# Allegro board visualscope011.brd (continued)
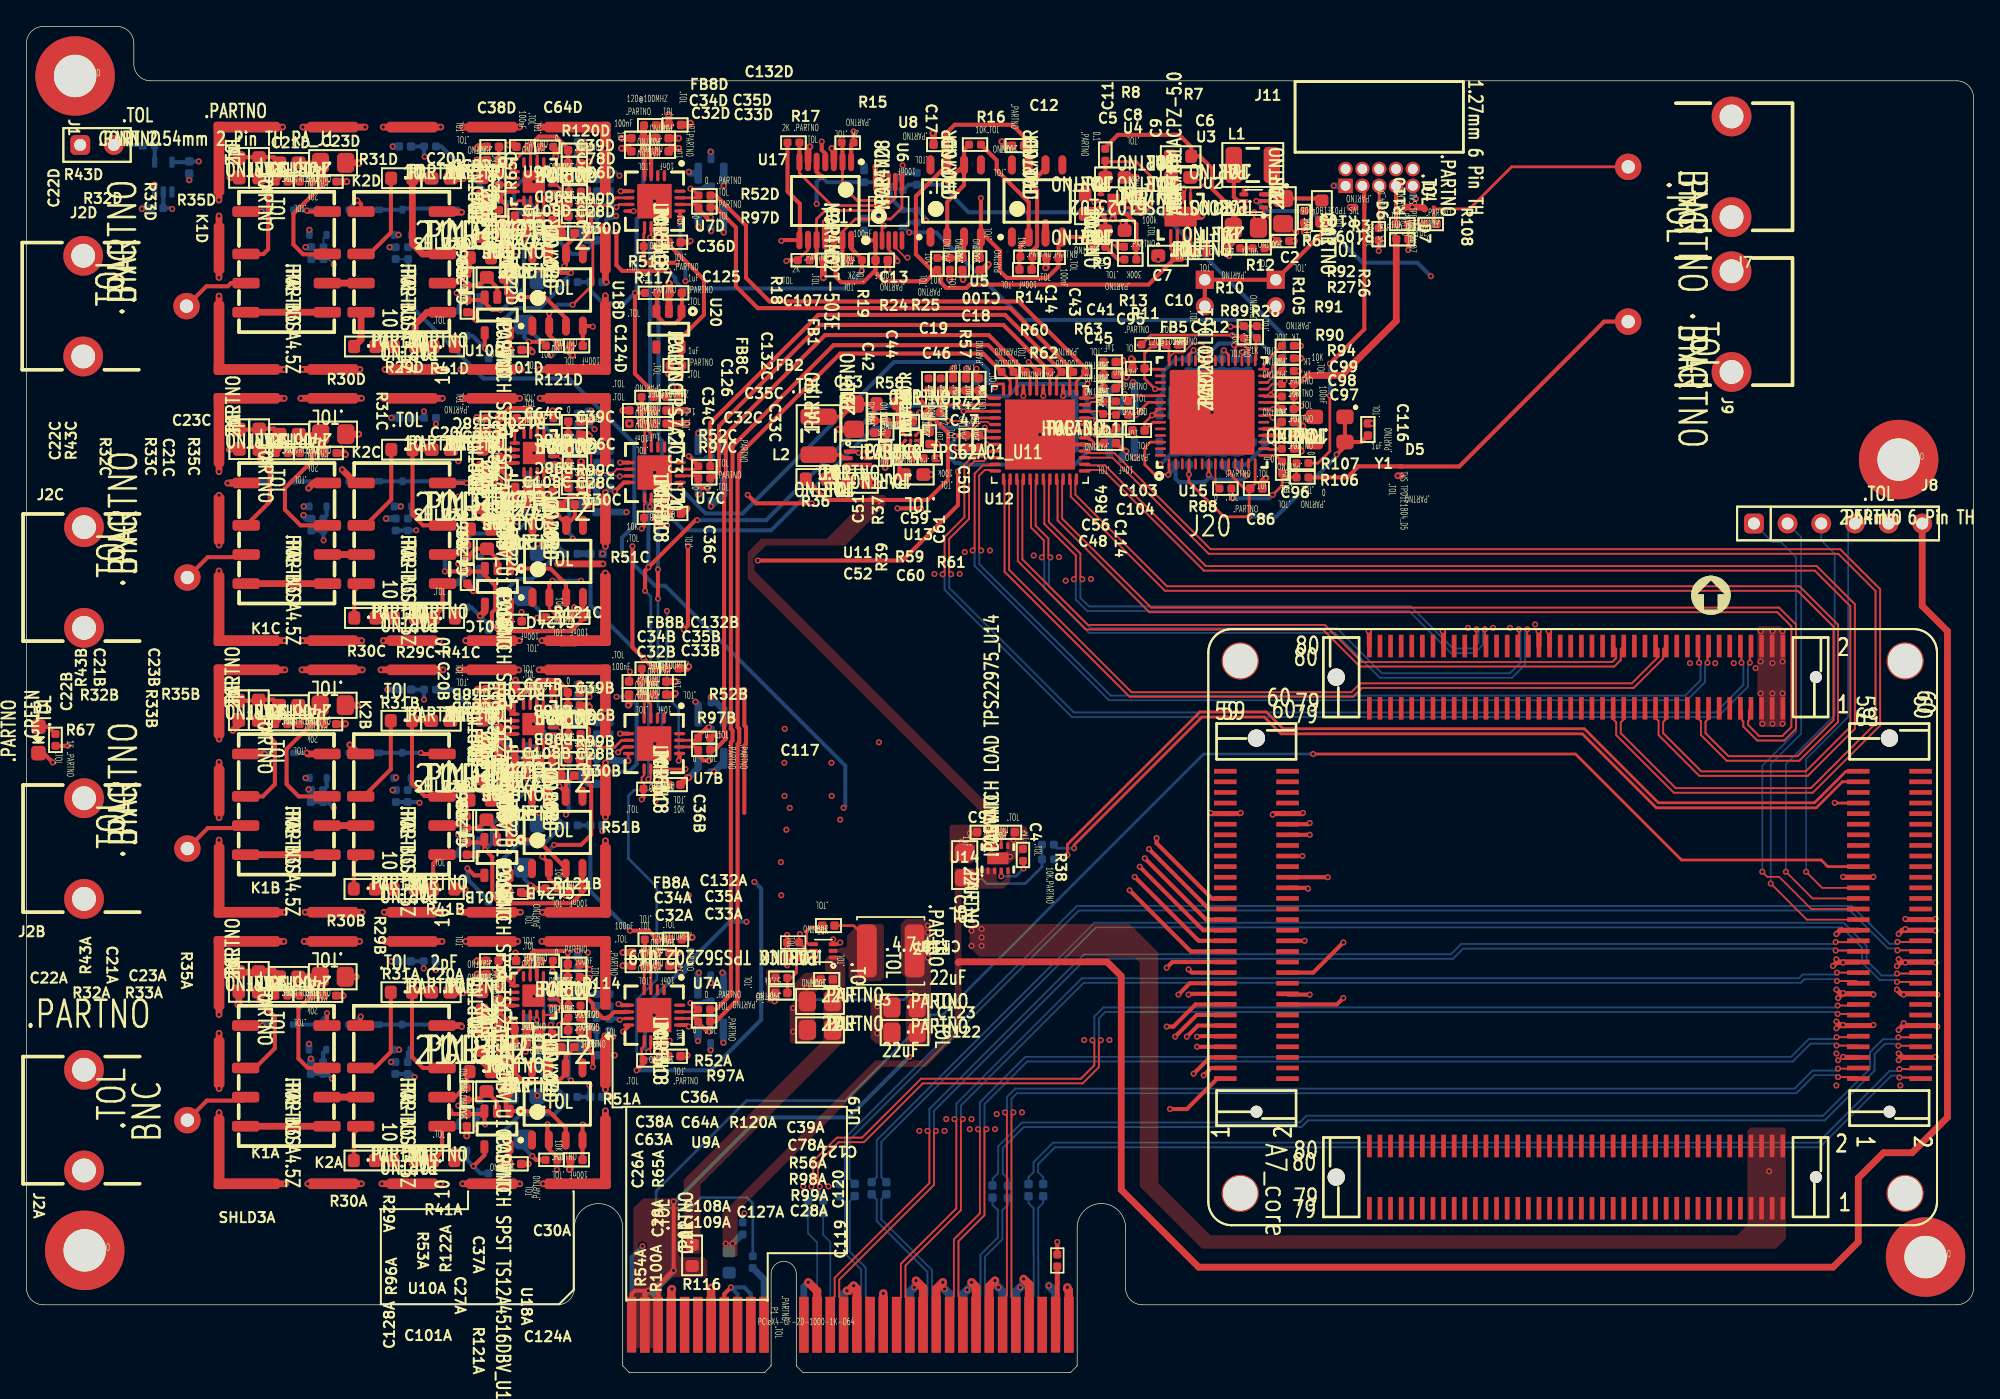
[diagram p0: board, top side]
## Nets (continued)
OUT_R_P_FRONT END_CH4: J4D.1(S) R52D.1 U7D.15
PER_N0: C74.1 P1.A17
PER_N1: C70.1 P1.A22
PER_N2: C66.1 P1.A26
PER_N3: C62.1 P1.A30
PER_P0: C75.1 P1.A16
PER_P1: C71.1 P1.A21
PER_P2: C67.1 P1.A25
PER_P3: C15.1 P1.A29
PERST#: J20.J3_41 R84.1
PET_N0: J20.J3_25 P1.B15
PET_N1: J20.J3_19 P1.B20
PET_N2: J20.J3_7 P1.B24
PET_N3: J20.J3_1 P1.B28
PET_P0: J20.J3_27 P1.B14
PET_P1: J20.J3_21 P1.B19
PET_P2: J20.J3_9 P1.B23
PET_P3: J20.J3_3 P1.B27
PGA_CSN_1: J20.J1_13 R51A.1 U7A.9
PGA_CSN_2: J20.J1_21 R51B.1 U7B.9
PGA_CSN_3: R51C.1 U7C.9
PGA_CSN_4: J20.J1_28 R51D.1 U7D.9
PGOOD: J20.J3_57 R101.1
PROBE_COMP: J20.J1_31 R2.2 U1.2
PRSNT1#: P1.A1 R86.1
PRSNT2#_1: P1.B17
PRSNT2#_4: P1.B31 R86.2
REFINOUT: C96.2 R88.2 R106.2 R107.2
REFINOUT1: D5.1(K) J9.1(S) R106.1
REFINOUT2: D6.1(K) J11.3 R107.1
RESIN: J20.J3_53 R66.1
SCL: J20.J1_38 Q2.3(S) R21.1 R90.1 U15.24
SCL_5V: Q2.1 R23.1 U6.2 U17.4
SDA: J20.J1_40 Q1.3(S) R20.1 R91.1 U15.25
SDA_5V: Q1.1 R22.1 U6.3 U17.5
SMCLK: P1.B5
SMDAT: P1.B6
SPI_SCLK: J20.J1_25 U7A.11 U7B.11 U7C.11 U7D.11 U12.4
SPI_SDIO: J20.J1_7 U7A.10 U7B.10 U7C.10 U7D.10 U12.3
SYNC1: D4.1(K) J7.1(S) R108.1
SYNC2: D7.1(K) J11.7 R109.1
TCK: J8.4 J20.J3_37
TDI: J8.2 J20.J3_31
TDO: J8.3 J20.J3_35
TERM_1: J20.J1_5 R48A.2 R50A.2
TERM_2: J20.J1_17 R48B.2 R50B.2
TERM_3: J20.J1_29 R48C.2 R50C.2
TERM_4: J20.J1_27 R48D.2 R50D.2
TEST: R111.2 U15.21
TMS: J8.1 J20.J3_33
TRIM1: C131A.1 FB7A.1 R15.1 U17.1
TRIM2: C131B.1 FB7B.1 R17.1 U17.8
TRIM3: C131C.1 FB7C.1 R18.1 U17.9
TRIM4: C131D.1 FB7D.1 R19.1 U17.14
VOUT1: R15.2 U6.9 U17.2
VOUT2: R17.2 U6.8 U17.7
VOUT3: R18.2 U6.7 U17.10
VOUT4: R19.2 U6.6 U17.13
WAKE#: P1.B11
N00005: C96.1 U15.15
N00009: C2.2 L1.1 R3.1 U2.3
N00011: R59.1 R61.2 U13.B1
N00013: C60.2 R59.2 U13.A1(VOUT)
N00017: L1.2 U2.5
N00021: C99.1 U15.19
N00027: C4.2 U14.6
N00055: R10.1 R12.2
N00061: R12.1 R105.2 U2.1
N00069: C134.2 U7A.13 U7B.13 U7C.13 U7D.13 U12.48(VCM)
N00071: C117.2 U19.4
N00073: C117.1 L3.1 U19.2
N00081: C118.1 R113.1 R114.2 U19.6
N00103: C9.1 U4.7
N00105: C9.2 U4.8
N00107: C11.2 U4.3
N00109: R11.1 R13.2 U4.5
N00119: P1.A32
N00125: C8.2 R8.2 U4.1 U4.6
N00131: C5.2 R9.1 R11.2 U4.4(VOUT)
N00141: C6.2 R7.2 U3.5 U3.7 U3.8
N00165: P1.B12
N00175: R1.2 U1.4
N00189: R88.1 U15.8
N00205: J20.J1_48 R28.2 R89.1
N00207: J20.J1_50 R42.1 U12.2
N00213: C10.2 U3.4
N00223: C52.2 R36.2 U11.3(VIN) U11.4
N00225: J1.2 R1.1
N00227: L2.1 U11.2
N00231: P1.B30
N00253: J20.J1_18 R108.2 R109.2 R110.2
N00257: C51.1 R37.1 R39.2 U11.5
N00285: C59.2 R58.2 U13.A2 U13.B2
N00319: P1.A11 R84.2
N00321: C40.1 P1.A14
N00323: C79.1 P1.A13
N00365: D1.2 R67.1
N00501: C125.2 R117.2 U20.1 U20.3
N00543: C19.2 R24.1 R25.2 U8.3
N00579: C100.2 R14.1 R16.2 U5.2

Pads without a net: FB1 1 2; FB2 1 2; FB3 1 2; J20 1 2 3 4 5 6 7 8 9 10 11 12 J1_2 J1_4 J1_6 J1_8 J1_10 J1_12 J1_14 J1_20 J1_24 J1_26 J1_30 J1_32 J1_34 J1_36 J1_37 J1_39 J1_41 J1_42 J1_43 J1_45 J1_46 J1_47 J1_49 J1_53 J1_54 J1_55 J1_56 J1_57 J1_58 J1_59 J1_60 J2_9 J2_10 J2_11 J2_12 J2_13 J2_14 J2_15 J2_16 J2_17 J2_18 J2_19 J2_20 J2_21 J2_22 J2_23 J2_24 J2_25 J2_26 J2_27 J2_28 J2_29 J2_30 J2_31 J2_32 J2_33 J2_34 J2_35 J2_36 J2_37 J2_38 J2_39 J2_40 J2_41 J2_42 J2_43 J2_44 J2_45 J2_46 J2_47 J2_48 J2_49 J2_50 J2_51 J2_52 J2_53 J2_54 J2_55 J2_56 J2_57 J2_58 J2_59 J2_60 J2_61 J2_62 J2_63 J2_64 J2_65 J2_66 J2_67 J2_68 J2_69 J2_70 J2_71 J2_72 J2_73 J2_74 J2_75 J2_76 J2_77 J2_78 J2_79 J2_80 J3_14 J3_16 J3_34 J3_36 J3_38 J3_40 J3_42 J3_43 J3_44 J3_45 J3_46 J3_47 J3_48 J3_49 J3_50 J3_51 J3_52 J3_54 J3_55 J3_56 J3_58 J3_60 J4_11 J4_12 J4_13 J4_14 J4_19 J4_20 J4_21 J4_22 J4_27 J4_28 J4_29 J4_30 J4_35 J4_36 J4_37 J4_38 J4_39 J4_40 J4_41 J4_42 J4_43 J4_44 J4_45 J4_47 J4_49 J4_51 J4_53 J4_54 J4_55 J4_56 J4_57 J4_59 J4_61 J4_62 J4_63 J4_64 J4_65 J4_67 J4_68 J4_69 J4_70 J4_71 J4_72 J4_73 J4_74 J4_75 J4_76 J4_77 J4_78 J4_79; R124A 1; R124B 1; R124C 1; R124D 1; U1 1; U5 1 5 8; U6 5; U7A 1 2 16; U7B 1 2 16; U7C 1 2 16; U7D 1 2 16; U8 1 5 8; U9A 9 13 16; U9B 9 13 16; U9C 9 13 16; U9D 9 13 16; U11 6; U15 2 3 5 6 9 12 13 20 34 35 37 38 40 41 44 45 52 53 55 56; U18A 1 5 8; U18B 1 5 8; U18C 1 5 8; U18D 1 5 8; U20 4

## Via types
v1: diameter 0.457, hole 0.254, TOP to BOTTOM, 834 vias

## Routing (per net, layer and track width the routed paths; a pad name or vN(x,y) marks a point on that pad's centre or on a via; arc(x,y) is an arc through that point)
+1V8A: length 25.2
  TOP w0.152: C45.2 80.55,73.55 U12.36
  TOP w0.203: C46.2 72.08,74.13 72.65,73.55 U12.1 ; U12.32 80.19,71.55 80.72,71.02 v1(80.72,70.79) 81.24,71.31 C56.2
  TOP w0.305: C45.2 C43.2 C41.2 ; v1(71.88,73.69) C46.2 C44.2 C42.2 ; v1(80.09,74.62) 79.87,74.41 U12.36
  PWR3 w0.305: v1(80.72,70.79) 80.09,71.42 v1(80.09,74.62)
  BOTTOM w0.305: v1(80.72,70.79) C55.2 C54.2 ; v1(71.88,73.69) 74.07,73.69 75.01,74.62 v1(80.09,74.62)
+1V8APLL: length 54
  TOP w0.127: v1(91.77,77.04) 91.73,77 U15.31
  TOP w0.203: U15.39 87.73,76.81 v1(88.09,77.16) ; U15.33 90.73,76.8 v1(90.37,77.16) ; U15.10 v1(90.73,67.91) 91.92,66.73 C86.1 ; C86.1 92.28,66.64 v1(92.28,64.59) 90.37,64.59 87.73,67.23 v1(87.73,67.79) 87.73,67.79 U15.4 ; C86.1 92.73,67.1 U15.14 ; v1(84.95,72.25) 84.97,72.23 U15.50 ; v1(84.95,72.25) 85.43,72.73 U15.49 ; v1(84.95,72.25) 84.39,71.69 C114.1 85.02,71.73 U15.51
  TOP w0.305: Y1.1 Y1.4 ; Y1.4 100.75,70.23 C116.1 ; Y1.4 99.51,69.92 v1(98.88,69.29)
  PWR3 w0.305: v1(87.73,67.79) 84.95,70.57 v1(84.95,72.25)
  PWR4 w0.305: v1(90.37,77.16) 90.5,77.04 v1(91.77,77.04)
  BOTTOM w0.305: v1(90.37,77.16) 90.22,77.01 C84.1 88.74,76.51 v1(88.09,77.16) 88.09,77.15 87.72,76.78 C83.1 86.72,76.48 85.8,75.57 85.8,73.99 85.52,73.71 C82.1 C115.1 v1(84.95,72.25) ; C89.1 v1(87.73,67.79) ; v1(91.77,77.04) 92.23,76.58 C85.1 ; v1(90.73,67.91) 90.33,68.31 C87.1 ; v1(92.28,64.59) 94.31,64.59 98.88,69.16 v1(98.88,69.29)
+1V8D: length 18.8
  TOP w0.203: U12.30 80.09,70.55 80.24,70.41 80.34,70.41 80.55,70.2 80.55,70.1 v1(80.72,69.93) 80.94,70.14 C48.2 ; C47.2 72.07,70.55 U12.7
  TOP w0.305: C47.2 C50.2 70.11,70.74 v1(70.05,70.69)
  BOTTOM w0.305: v1(70.05,70.69) 70.03,70.66 70.03,70.33 69.72,70.03 69.72,69.57 69.8,69.49 69.8,68.96 70.1,68.66 70.43,68.66 70.56,68.53 79.12,68.53 80.04,69.44 C49.2 80.57,69.77 v1(80.72,69.93)
+1V92: length 7.1
  TOP w0.305: 64.13,73.1 C53.2 61.51,72.15 L2.2 ; 64.13,73.1 63.98,72.95 C51.2 64.9,71.85 R37.2 ; 64.13,73.1 R58.1
+3V3: length 303.3
  TOP w0.127: v1(80.72,71.83) 80.5,72.05 U12.33
  TOP w0.203: v1(96.21,72.97) 95.97,72.73 R94.1 R90.2 R91.2 96.08,74.61 v1(96.47,75.01) ; C61.2 67.39,71.01 U13.C2 ; R89.2 91.79,78.18 91.13,78.18 v1(91.01,78.31) 84.87,78.31 FB5.1 ; 64.34,65.61 64.59,65.86
  TOP w0.305: 68.16,72.33 69.54,70.94 69.54,67.39 68.02,65.86 60.39,65.86 R36.1 ; 68.16,72.33 C61.2 ; 68.16,72.33 68.05,72.43 R42.2 ; v1(24.97,88.47) 25.25,88.19 K2D.1 ; R42.2 68.05,72.81 v1(67.39,73.48) ; R42.2 v1(67.4,72.45) ; R67.2 v1(3.12,47.3) ; K1D.1 v1(17.73,87.63) ; K2A.1 v1(25.23,26.87) ; K1A.1 v1(17.81,26.19)
  TOP w0.508: R110.1 103.38,79.38 99.26,75.26 96.72,75.26 v1(96.47,75.01) ; K1C.1 15.46,67.15 15.44,67.13 v1(15.19,67.13) ; K1B.1 v1(17.98,46.69) ; K2B.1 25.09,46.69 v1(24.4,47.38) ; K2C.1 24.83,67.15 v1(23.82,68.15)
  PWR3 w0.305: v1(67.89,86.94) 67.89,73.99 v1(67.39,73.48) ; v1(17.81,26.19) 17.6,26.39 17.6,46.31 v1(17.98,46.69) 17.6,46.69 16.58,47.71 16.58,66 15.44,67.13 ; 15.44,67.13 v1(15.19,67.13) ; 15.44,67.13 16.58,68.27 16.58,86.48 v1(17.73,87.63)
  PWR4 w0.203: 13.72,90.7 39.5,90.7 39.7,90.5 43.23,90.5 43.61,90.88 49.48,90.88 50.05,91.46 61.03,91.46 61.42,91.85 65.4,91.85 v1(66.13,91.12) ; 24.21,47.32 24.27,47.38 v1(24.4,47.38)
  PWR4 w0.305: v1(17.81,26.19) 24.54,26.19 v1(25.23,26.87) ; v1(24.97,88.47) 18.57,88.47 v1(17.73,87.63) 16.79,87.63 v1(13,91.42) ; v1(15.19,67.13) 16.2,68.15 v1(23.82,68.15) ; v1(67.4,72.45) 67.79,72.85 69.16,72.85 69.42,73.1 71.93,73.1 72.26,72.77 80.04,72.77 80.72,72.08 v1(80.72,71.83) 81.43,72.54 81.43,77.37 82.37,78.31 v1(91.01,78.31) 92.28,78.31 95.58,75.01 v1(96.47,75.01) ; v1(3.12,47.3) 3.19,47.23 17.44,47.23 v1(17.98,46.69) 18.62,46.05 22.94,46.05 24.21,47.32
  BOTTOM w0.127: v1(17.98,46.69) 18.01,46.72 D2B.1 ; v1(17.73,87.63) 17.89,87.63 D2D.1
  BOTTOM w0.305: Q1.2 66.13,90.38 65.23,89.48 65.23,88.65 Q2.2 67.16,87.75 R21.2 67.25,87.71 67.89,87.07 v1(67.89,86.94) ; Q1.2 67.14,90.5 R20.2 ; Q1.2 v1(66.13,91.12) ; D3D.1 24.4,87.9 v1(24.97,88.47) ; D3A.1 24.62,26.26 v1(25.23,26.87) ; U1.5 12.22,91.36 C1.1 v1(13,91.42) ; C58.2 C57.2 80.72,72.14 v1(80.72,71.83) ; v1(67.4,72.45) 67.6,72.25 R44.2 ; R111.1 R93.1 95.92,72.68 v1(96.21,72.97) ; v1(23.82,68.15) 24.4,67.57 D3C.1 ; D3B.1 v1(24.4,47.38) ; D2D.1 17.87,87.77 v1(17.73,87.63) ; D2C.1 15.33,67.27 v1(15.19,67.13)
+3V3_IN: length 156.2
  TOP w0.508: J8.6 143.08,57.86 144.98,55.96 144.98,19.25 142.32,16.59 140.16,16.59 138.25,14.68 138.25,9.85 136.35,7.95 88.47,7.95 82.63,13.79 82.63,29.92 81.55,31 70.37,31 70.31,30.94
  BOTTOM w0.203: v1(71.96,37.41) 72.47,36.91 75.39,36.91 76.65,38.17 R102.2 76.64,38.75 R101.2 ; R87.2 53.03,9.47 v1(53.29,9.73) v1(52.78,9.73)
  BOTTOM w0.508: R66.2 53.98,10.42 v1(53.29,9.73)
+3V3_PCIE: length 10.1
  TOP w0.305: P1.B8 52.67,5.93 v1(53.16,6.43)
  BOTTOM w0.305: P1.A9 53.67,5.92 v1(53.16,6.43) 54.17,6.43 54.67,5.93 P1.A10
+3V3_PGA: length 74.2
  TOP w0.203: C36A.2 48.12,24.19 U7A.12 v1(48.54,25.05) ; C36D.2 48.21,85.57 48.21,85.93 48.15,85.99 U7D.12 ; C36B.2 48.12,44.69 U7B.12 49.73,45.55 v1(49.73,45.54) ; C36C.2 48.16,65.15 U7C.12
  TOP w0.305: U7C.12 v1(48.57,66.01) ; R51D.2 48.14,85 C36D.2 48.46,85.17 51.13,82.5 51.13,79.83 49.44,78.14 U20.5 49.44,76.05 C126.2 49.48,75.39 v1(49.22,75.13) ; C36A.2 48.12,23.56 R51A.2 ; v1(49.92,62.37) 49.92,56.4 v1(49.61,56.08) ; C36C.2 48.16,64.52 R51C.2 47.5,64.28 47.83,63.96 v1(48.34,63.96) ; C36B.2 48.12,44.06 R51B.2 v1(47.47,43.15)
  PWR3 w0.203: v1(49.73,45.54) 49.73,51.18 50.49,51.94 50.49,55.19 v1(49.61,56.08) ; v1(49.92,62.37) v1(48.34,63.96)
  PWR3 w0.305: v1(47.47,43.15) 47.47,42.98 47.57,42.87 47.57,27.76 48.54,26.79 v1(48.54,25.05)
  BOTTOM w0.305: v1(48.57,66.01) 48.57,74.61 49.1,75.13 v1(49.22,75.13)
+5V: length 219.8
  TOP w0.203: 86.86,84.31 86.36,84.81 U3.1 ; 86.86,84.31 C7.2 87.36,84.79 U3.3 ; 86.86,84.31 U3.2
  TOP w0.305: C132C.2 48.26,73.63 FB8C.2 47.32,73.99 45.92,75.39 v1(45.92,81.48) 45.94,81.5 R117.1 ; v1(63.19,85.46) U6.1 64.07,83.97 C13.2 64.08,83.21 ; C132A.2 48.51,32.68 FB8A.2 47.57,32.72 46.94,33.35 v1(45.54,33.35) ; v1(45.73,62.37) 45.73,54.75 v1(46.56,53.92) 47.34,53.14 FB8B.2 48.28,53.14 C132B.2 ; 64.08,83.21 63.17,82.29 61.5,82.29 61.06,82.72 C107.2 60.94,84.09 U17.12 ; 64.08,83.21 64.08,83.01 64.72,82.37 67.89,82.37 R24.2 ; C7.2 84.68,82.12 71.2,82.12 70.94,81.86 69.42,81.86 69.04,82.24 69.04,82.75 68.74,83.05 R24.2 ; R24.2 68.31,83.23 67.13,84.4 67.13,88.79 U8.7 69.49,92.57 C17.1 69.38,93.51 70.05,94.18 74.39,94.18 75.3,93.27 C12.1 75.64,92.27 U5.7
  TOP w0.508: v1(48.46,94.94) 48.49,94.92 C132D.2 48.46,94.14 FB8D.2
  PWR3 w0.305: v1(62.94,91.39) 63.19,91.13 v1(63.19,85.46) ; v1(45.92,81.48) 46.05,81.36 46.05,71.45 45.92,71.32 45.92,62.94 46.3,62.56 46.3,62.18 46.05,61.92 46.05,54.43 v1(46.56,53.92) 46.3,53.67 46.3,44.79 45.54,44.03 v1(45.54,33.35) 46.05,32.84 46.05,24.46 43.26,21.67 v1(42.49,21.67)
  PWR4 w0.305: v1(63.19,85.46) 63.19,84.78 59.89,81.48 v1(45.92,81.48)
  BOTTOM w0.305: v1(48.46,94.94) 48.46,94.54 46.56,92.64 46.56,87.58 46.05,87.07 46.05,81.61 v1(45.92,81.48) 45.16,80.72 43.51,80.72 42.57,81.66 C111D.2 FB9D.1 ; v1(46.56,53.92) 42.57,57.91 C111C.2 ; FB9B.1 C111B.2 42.55,36.34 v1(45.54,33.35) ; v1(63.19,85.46) 63.22,85.48 R23.2 ; FB9A.1 C111A.2 42.49,20.85 v1(42.49,21.67)
  BOTTOM w0.508: FB9C.1 C111C.2 ; v1(62.94,91.39) 63.22,91.11 R22.2
+5V2: length 134.8
  TOP w0.305: R8.1 81.42,92.47 82.37,93.42 86.99,93.42 87.91,92.51 R7.1 88.56,91.81 89.48,90.88 89.48,89.36 91.09,87.75 91.09,87.14 ; 91.09,87.14 C3.2 91.09,85.25 R10.2 90.7,84.33 v1(90.75,84.28) ; 91.09,87.14 U2.6
  PWR3 w0.508: v1(90.75,84.28) 99.52,84.28 101.42,86.18 119.84,86.18 124.54,81.48 124.54,22.17 v1(131.52,15.19)
  BOTTOM w0.203: v1(56.46,28.02) 56.59,28.14 66.24,28.14 v1(66.75,28.65)
  vias: v1(68.02,33.73) v1(68.02,33.22) v1(68.02,32.46) v1(68.02,31.95) v1(68.02,31.32) v1(71.32,33.35) v1(71.32,32.21) v1(72.08,33.48) v1(72.08,32.84) v1(72.08,32.21)
+12V_PCIE: length 46.7
  TOP w0.305: v1(48.84,12.9) v1(48.84,7.7) 47.67,6.52 P1.A3 ; P1.B1 45.67,5.92 45.92,6.17 v1(46.94,6.17) 46.67,5.9 P1.A2
  BOTTOM w0.305: v1(48.84,12.9) 48.97,12.9 55.32,19.25 62.05,19.25 v1(66.62,23.82)
  BOTTOM w0.508: 47.67,5.6 47.67,6.52 v1(48.84,7.7) ; 47.67,5.6 47.09,6.17 v1(46.94,6.17) 46.67,5.9 P1.A2 ; 47.67,5.6 P1.A3
-5V: length 130.9
  TOP w0.305: v1(72.03,88.65) U8.4 ; U8.4 72.03,84.23 C18.2 ; U8.4 72.43,85.7 73.48,84.66 73.48,83.13 73.99,82.63 77.04,82.63 77.89,83.48 C14.2 77.89,85.42 U5.4 79.8,85.7 R9.2
  PWR3 w0.305: v1(29.98,30.5) 30.43,30.95 30.43,50.37 v1(30,50.79) v1(30,72.55) 30.05,72.59 v1(30.05,91.77)
  PWR4 w0.203: v1(72.03,88.65) 67.59,93.09 61.65,93.09 61.11,93.62 44.72,93.62 44.64,93.55 33.58,93.55 31.8,91.77 v1(30.05,91.77)
  BOTTOM w0.305: C133C.1 FB10C.1 v1(30,72.55) ; C133D.1 FB10D.1 30,91.81 v1(30.05,91.77) ; C133A.1 FB10A.1 v1(29.98,30.5) ; v1(30,50.79) FB10B.1 C133B.1
GND: length 614.1
  TOP w0.127: C29D.1 35.65,87.34 35,86.69 v1(35,86.44) ; C108D.1 36.91,87.28 v1(36.91,85.8) ; v1(38.3,28.4) 38.3,28.41 U9A.17 ; C2.1 95.04,86.72 95.58,86.18 95.96,86.18 95.96,86.05 v1(95.83,86.05) ; v1(32.08,70.56) 32.08,70.18 32.03,70.13 C20C.2 ; C101C.1 37.38,57.13 37.36,57.15 v1(37.36,57.4) ; C127C.1 39.61,66.51 38.84,65.73 v1(38.68,65.73) ; v1(92.66,87.58) 92.66,87.2 92.99,86.87 C3.1 ; v1(34.87,25.09) 34.87,25.22 35.62,25.97 C29A.1 ; C34B.1 45.48,52.46 45.54,52.53 v1(45.54,52.91) ; v1(66.5,84.15) 66.34,84.15 65.57,84.91 U6.4 ; v1(35,45.54) 35,45.8 35.62,46.42 C29B.1
  TOP w0.203: v1(67.51,70.31) 67.47,70.35 U13.C1 ; v1(61.42,32.46) 61.28,32.33 U19.3 v1(60.89,32.69) ; v1(57.41,33.03) R115.2 v1(57.41,32.01) R114.1 v1(57.41,30.74) ; J11.5 102.1,86.42 R103.1 ; v1(45.41,46.18) 45.41,46.69 U7B.8 ; U12.8 v1(72.47,70.05)
  TOP w0.254: C28C.2 v1(41.82,66.23) ; v1(82.68,74.61) 82.53,74.61 C45.1
  TOP w0.305: v1(87.35,89.36) 87.35,89.46 87.36,89.46 U3.6 ; v1(81.99,70.81) 81.99,71.07 C56.1 ; v1(44.4,66.5) 45.08,67.18 U7C.8 ; C127A.1 39.57,25.66 v1(39.57,26.24) ; C46.1 71.7,75.22 v1(71.7,75.77) ; v1(40.08,24.08) 40.36,24.36 C37A.1 ; U12.29 77.24,70.05 v1(76.49,70.8) 76.74,71.05 U12.31 ; v1(36.91,84.28) 36.38,84.8 R122D.1 ; v1(92.02,89.36) 91.88,89.21 U2.4 ; v1(62.81,69.42) 62.72,69.51 U11.1 ; U7D.5 v1(44.84,89.17) ; U7A.8 45.45,26.14 v1(45.03,25.73) ; v1(36.91,31.7) 36.95,31.65 C64A.1 ; U7B.5 v1(44.79,48.22) ; v1(83.01,69.54) 82.88,69.67 82.7,69.67 C48.1 ; U4.2 80.68,88.43 v1(80.59,88.34) ; U12.45 v1(75.24,73.72) ; U7C.5 v1(44.81,68.68) ; C78A.1 42.2,29.83 42.24,29.79 v1(42.49,29.79) ; v1(39.7,30.3) 39.7,30.68 39.73,30.71 R120A.1 ; U12.42 v1(76.74,73.72) ; U7A.5 44.92,27.72 44.83,27.81 v1(44.68,27.81) ; U12.39 v1(78.24,73.72) ; R122A.1 36.02,23.57 v1(35.51,23.57) ; C39A.2 42.1,30.82 v1(42.49,30.43) ; v1(41.82,66.23) 41.71,66.12 41,66.12 C37C.1 ; C114.2 v1(83.47,70.73) ; U7D.8 v1(45.82,87.67) ; C28A.2 v1(41.79,25.22)
  TOP w0.381: 141.51,30.98 141.47,30.98 v1(141.17,30.68) ; 141.51,30.98 v1(141.3,31.19) ; 141.51,30.98 J20.J3_24 144.05,30.98 v1(144.09,30.94) ; 141.9,33.38 v1(141.81,33.48) ; 141.9,33.38 J20.J3_30 144.06,33.38 v1(144.09,33.35) ; 141.9,33.38 141.59,33.38 v1(141.3,33.1) ; 137.18,28.58 137.04,28.58 ; 137.18,28.58 J20.J3_17 139.33,28.58 v1(139.39,28.52) ; 137.18,28.58 v1(137.11,28.65) ; 137.04,28.58 136.92,28.58 v1(136.6,28.9) ; 137.04,28.58 v1(136.73,28.27) ; 141.74,28.58 141.49,28.58 v1(141.17,28.9) ; 141.74,28.58 J20.J3_18 144.16,28.58 v1(144.22,28.52) ; 141.74,28.58 v1(141.68,28.52) ; 136.91,26.18 136.8,26.18 v1(136.6,25.98) ; 136.91,26.18 v1(136.6,26.49) ; 136.91,26.18 137.16,26.18 ; v1(101.29,55.96) 101.35,55.9 J20.J4_80 ; v1(139.39,37.41) 139.37,37.38 J20.J3_39 137.14,37.38 v1(137.11,37.41) ; v1(50.11,85.42) 50.01,85.32 C36D.1 ; J20.J4_48 114.15,55.92 v1(114.12,55.96) ; 141.59,23.78 J20.J3_6 144.05,23.78 v1(144.09,23.82) ; 141.59,23.78 v1(141.3,24.08) ; 141.59,23.78 141.51,23.78 v1(141.3,23.57) ; v1(141.3,25.86) 141.63,26.18 141.86,26.18 ; 137.16,30.98 136.81,30.98 ; 137.16,30.98 v1(137.11,30.94) ; 137.16,30.98 J20.J3_23 ; 136.81,30.98 v1(136.6,31.19) ; 136.81,30.98 136.65,30.98 v1(136.35,30.68) ; J20.J4_66 106.95,55.89 v1(106.88,55.96) ; 137.16,26.18 J20.J3_11 139.34,26.18 v1(139.39,26.24) ; 137.16,26.18 v1(137.11,26.24) ; v1(96.34,42.24) 96.29,42.18 J20.J1_52 94.13,42.18 v1(94.06,42.11) ; 141.86,26.18 v1(141.68,26.36) ; 141.86,26.18 J20.J3_12 144.15,26.18 v1(144.22,26.11) ; J20.J4_46 114.95,55.89 v1(114.88,55.96) ; v1(136.6,33.1) 136.89,33.38 J20.J3_29 ; J20.J3_5 137.15,23.78 v1(137.11,23.82) ; v1(144.09,34.24) 144.04,34.18 J20.J3_32 141.86,34.18 v1(141.81,34.24) ; v1(89.36,42.24) 89.41,42.18 J20.J1_51 91.59,42.18 v1(91.64,42.24) ; U6.10 v1(64.07,91)
  TOP w0.508: v1(15.57,48.46) 16.03,48.92 C22B.1 ; v1(40.97,15.32) 41.04,15.39 C124A.2 ; v1(49.22,30.56) 49.07,30.71 C33A.1 ; C101A.1 v1(37.87,15.75) ; SHLD3B.8 v1(38.93,34.74) ; R25.1 69.7,82.52 v1(69.67,82.5) ; SHLD3A.9 v1(43.7,19.76) ; v1(15.95,27.76) 16.03,27.84 C22A.1 ; v1(96.21,69.54) 96.03,69.73 C97.2 ; v1(32.85,34.74) SHLD3B.7 v1(37.28,34.74) ; C44.1 70.9,75.35 70.94,75.39 v1(70.94,75.77) ; R6.2 96.43,86.35 96.47,86.31 v1(96.47,86.05) ; v1(25.17,75.71) SHLD3D.5 v1(20.83,75.71) ; C128A.1 33.24,17.87 v1(33.22,17.86) ; C35C.1 49.83,72.62 v1(49.86,72.59) ; v1(38.18,77.04) 38.02,77.19 C101D.1 ; v1(21.03,34.74) SHLD3B.5 v1(25.35,34.74) ; v1(82.75,76.4) 82.63,76.28 C41.1 ; C63B.2 34.06,50.57 v1(33.98,50.49) ; C112.2 87.25,77.6 v1(87.45,77.8) ; C127D.1 39.88,86.82 40.21,86.82 v1(40.46,86.56) 40.39,86.49 C37D.1 ; v1(83.39,76.53) 83.47,76.44 C95.2 ; SHLD3A.1 v1(14.53,27.02) ; C124B.2 41.04,36.34 v1(40.72,36.02) ; R35A.1 v1(23.9,28.45) ; C126.1 48.56,75.49 v1(48.46,75.39) ; C132A.1 49.6,32.84 v1(50.24,32.84) ; v1(39.7,72.59) 39.77,72.52 R120C.1 ; v1(39.83,46.81) 39.68,46.66 C127B.1 ; Y1.2 v1(96.6,72.13) ; SHLD3D.1 v1(14.53,88.5) ; v1(49.99,44.91) 49.89,44.91 C36B.1 ; C7.1 85.42,84.02 v1(85.42,84.02) ; v1(61.29,71.2) 61.29,71.2 C53.1 ; C20D.2 32.56,90.14 32.59,90.12 v1(32.97,90.12) ; v1(37.03,64.21) 36.93,64.32 R122C.1 ; SHLD3D.3 v1(14.53,81.25) ; SHLD3A.8 v1(38.99,14.25) ; C63A.2 34.01,30.07 v1(33.98,30.05) ; v1(44.91,92.4) 45.42,92.4 C32D.1 ; C33D.1 48.69,92.4 v1(49.22,92.4) ; v1(39.95,91.77) 39.95,92.28 39.76,92.48 R120D.1 ; C109A.2 C108A.1 v1(36.84,26.43) ; C132B.1 49.86,53.16 v1(49.99,53.29) ; v1(49.86,23.95) 49.78,23.88 C36A.1 ; R92.1 v1(96.16,77.5) ; R120B.1 39.73,50.97 v1(39.83,50.88) ; SHLD3A.3 v1(14.54,19.62) ; C11.1 79.9,89.55 v1(79.83,89.61) ; v1(14.54,25.6) SHLD3A.2 v1(14.54,21.43) ; v1(45.41,50.37) 45.48,50.43 C32B.1 ; C86.2 93.28,67.25 v1(93.55,67.51) ; C13.1 v1(65,83.26) ; C59.1 66.88,71.96 66.62,72.21 v1(66.62,72.47) ; C116.2 v1(101.55,71.64) ; C43.1 82.83,75.31 v1(83.01,75.13) ; v1(36.52,71.58) 36.98,72.03 C64C.1 ; C37B.1 40.36,45.74 v1(40.36,45.75) ; C124D.2 41.07,76.94 v1(41.22,76.78) ; C39D.2 42.35,92.27 v1(42.49,92.4) ; SHLD3D.12 v1(38.76,94.01) ; v1(25.28,14.25) SHLD3A.5 v1(21.23,14.25) ; v1(20.78,53.04) SHLD3B.15 v1(25.35,53.04) ; R41A.1 v1(32.3,16.8) ; v1(35.64,67.26) C29C.1 ; v1(70.23,69.8) 70.25,69.82 C50.1 C47.1 ; R35C.1 23.96,69.41 v1(24.08,69.29) ; R61.1 v1(68.88,69.01) ; v1(33.73,59) 33.27,59.46 C128C.1 ; v1(20.82,55.24) SHLD3C.5 v1(25.3,55.24) ; C38C.2 34.04,72.03 v1(33.98,72.08) ; v1(81.99,87.07) 82.04,87.12 U4.9 ; v1(33.14,55.24) SHLD3C.7 v1(37.21,55.24) ; v1(41.83,86.66) 41.83,86.9 41.81,86.92 C28D.2 ; C22C.1 15.37,69.72 v1(15.32,69.67) ; U17.6 58.99,92.39 v1(59.13,92.53) ; v1(26.93,73.54) SHLD3C.14 v1(31.39,73.54) ; R39.1 v1(64.81,68.31) ; v1(43.76,82.31) 43.69,82.38 SHLD3D.10 43.69,86.49 v1(43.76,86.56) ; C23A.1 v1(24.89,29.87) ; v1(37.34,75.71) SHLD3D.7 v1(32.79,75.71) ; C28B.2 41.79,45.87 v1(41.86,45.8) ; C128B.1 33.71,39.09 33.73,39.06 v1(33.98,39.06) ; C64B.1 36.95,52.1 36.91,52.15 v1(36.91,52.27) ; v1(31.37,75.71) SHLD3D.6 v1(27.05,75.71) ; C22D.1 v1(15.36,90.21) ; C14.1 76.97,83.45 v1(76.91,83.39) ; v1(33.14,32.54) SHLD3A.13 v1(37.08,32.54) ; R27.1 v1(96.19,76.56) ; SHLD3B.12 v1(38.69,53.04) ; C132C.1 49.2,74.27 v1(49.1,74.37) ; SHLD3C.11 43.69,70.23 v1(43.64,70.18) ; v1(36.4,92.66) 36.84,92.66 C64D.1 ; v1(33.98,92.4) 34.1,92.52 C38D.2 ; C63D.2 v1(33.98,91.52) ; v1(96.34,71.45) 96.21,71.45 95.91,71.75 C99.2 ; v1(41.73,52.02) 41.73,51.76 41.77,51.72 C39B.2 ; v1(31.27,94.01) SHLD3D.14 v1(26.92,94.01) ; v1(43.7,41.92) SHLD3B.10 v1(43.7,46.02) ; v1(88.72,87.32) 88.65,87.25 U3.9 ; C35B.1 48.96,52.16 v1(48.97,52.15) ; U5.3 v1(76.91,86.82) ; R41B.1 v1(33.1,36.5) ; v1(33.98,79.45) 33.86,79.58 33.86,79.83 33.66,80.03 C128D.1 ; v1(70.69,82.5) 70.69,82.88 70.64,82.93 C19.1 ; SHLD3C.8 41.43,55.07 40.33,55.07 40.16,55.24 v1(38.89,55.24) ; SHLD3D.8 v1(38.74,75.71) ; C18.1 72.17,83.22 v1(72.59,83.64) ; R41D.1 v1(32.32,78.17) ; v1(32.9,73.54) SHLD3C.13 v1(37.23,73.54) ; v1(31.14,55.24) SHLD3C.6 v1(26.92,55.24) ; C132D.1 49.97,94.17 v1(50.11,94.31) ; v1(37.21,94.01) SHLD3D.13 v1(32.92,94.01) ; v1(37.23,14.25) SHLD3A.7 v1(32.91,14.25) ; v1(49.86,65.23) 49.47,64.83 C36C.1 ; v1(33.98,31.06) 34,31.08 C38A.2 ; U9A.17 38.26,28.44 v1(38.3,28.4) ; U20.2 48.49,81.43 C125.1 48.55,82.16 v1(48.46,82.24) ; C78B.1 42.41,50.33 v1(42.49,50.24) ; v1(14.53,87.3) SHLD3D.2 v1(14.53,82.65) ; v1(25.09,91.26) 25.04,91.31 C23D.1 ; v1(31.37,32.54) SHLD3A.14 v1(27.05,32.54) ; v1(82.12,85.29) 82.44,84.98 R13.1 ; SHLD3A.4 v1(19.56,14.25) ; v1(37.16,53.04) SHLD3B.13 v1(32.72,53.04) ; SHLD3C.1 v1(14.53,68) ; C35A.1 v1(49.2,31.7) ; v1(33.98,51.51) 34.05,51.57 C38B.2 ; v1(36.91,47.07) 36.84,47 C108B.1 C109B.2 ; C8.1 v1(83.77,90.21) ; U17.11 v1(60.29,86.82) ; D6.2 v1(99.9,87.96) ; v1(26.75,53.04) SHLD3B.14 v1(31.44,53.04) ; v1(24.08,48.97) 24.05,48.95 R35B.1 ; SHLD3B.1 v1(14.53,47.81) ; C60.1 v1(68.29,67.78) ; v1(31.25,14.25) SHLD3A.6 v1(26.82,14.25) ; D4.2 105.39,87.96 v1(104.6,87.96) D7.2 ; C124C.2 41.08,57.21 41.35,57.48 v1(41.35,57.73) ; v1(14.53,66.22) SHLD3C.2 v1(14.53,62.46) ; C63C.2 34.07,71.03 v1(33.98,70.94) ; v1(43.69,62.36) SHLD3C.10 v1(43.69,66.42) ; v1(82.75,86.82) 82.88,86.69 C5.1 ; D5.2 v1(103.5,67.69) ; C34A.1 v1(45.01,31.7) ; v1(68.4,93.55) 68.46,93.49 C17.2 ; v1(20.86,94.01) SHLD3D.15 v1(25.56,94.01) ; v1(42.49,70.69) 42.39,70.79 C78C.1 ; v1(35.58,44.02) 35.76,44.02 35.92,43.86 R122B.1 ; C10.1 v1(89.07,85.26) ; SHLD3C.4 v1(19.46,55.24) ; R41C.1 v1(32.33,57.61) ; C108C.1 C109C.2 36.88,65.71 v1(36.65,65.48) ; C23C.1 v1(25.08,70.83) ; C6.1 v1(88.51,90.21) ; v1(60.78,92.4) 60.94,92.25 U17.3 ; SHLD3B.3 v1(14.54,40.19) ; U7B.17 v1(47.42,47.47) ; R35D.1 v1(24.18,89.89) ; SHLD3A.12 v1(38.89,32.54) ; C78D.1 42.38,91.27 v1(42.49,91.39) ; SHLD3B.4 v1(19.5,34.74) ; SHLD3C.16 v1(19.45,73.54) ; C34D.1 v1(44.91,93.17) ; SHLD3B.9 v1(43.7,40.14) ; v1(73.61,92.91) 73.91,92.61 C12.2 ; v1(38.05,36.14) 37.44,36.14 C101B.1 ; C35D.1 v1(49.22,93.17) ; v1(32.08,50.11) 31.99,50.03 C20B.2 ; v1(32.97,28.65) 32.92,28.7 C20A.2 ; SHLD3C.12 v1(38.76,73.54) ; C109D.2 C108D.1 ; v1(40.08,61.04) v1(43.51,61.04) ; SHLD3D.9 v1(43.69,81.28) ; SHLD3A.16 v1(19.43,32.54) ; SHLD3D.16 v1(19.33,94.01) ; SHLD3B.16 v1(19.5,53.04) ; SHLD3C.9 v1(43.69,60.35) ; C32A.1 v1(45.01,30.71) ; v1(31.58,34.74) SHLD3B.6 v1(27,34.74) ; v1(43.66,25.42) 43.66,23.43 SHLD3A.10 v1(43.7,21.35) ; v1(20.95,32.54) SHLD3A.15 v1(25.14,32.54) ; v1(14.54,46.07) SHLD3B.2 v1(14.54,41.88) ; R26.1 v1(96.04,75.59) ; C23B.1 v1(24.97,50.37) ; C33B.1 48.88,51.17 v1(48.97,51.26) ; v1(20.7,73.54) SHLD3C.15 v1(25.29,73.54) ; SHLD3B.11 43.69,49.79 v1(43.64,49.73) ; SHLD3A.11 v1(43.69,29.41) ; C34C.1 v1(45.01,72.62) ; SHLD3D.11 v1(43.69,92.4) ; SHLD3D.4 v1(19.43,75.71) ; C52.1 v1(63.96,67.16) ; C33C.1 v1(49.86,71.63) ; R105.1 v1(95.69,85.41) ; C107.1 v1(60.14,82.63) ; C61.1 v1(68.75,70.09) ; C42.1 v1(69.93,75.77) ; C39C.2 42.57,71.78 v1(42.75,71.96) ; SHLD3C.3 v1(14.53,60.51)
  TOP w0.635: P1.B22 68.67,6.31 v1(69.16,6.81) ; P1.B7 v1(51.67,6.4) ; v1(48.72,6.3) 48.67,6.25 P1.A4 ; P1.B26 72.67,6.5 v1(73.1,6.93) ; v1(67.13,6.93) 67.67,6.4 P1.B21 ; P1.B32 78.67,6.19 78.56,6.3 v1(78.56,6.43) ; v1(71.32,6.81) 71.67,6.46 P1.B25 ; v1(75.26,7.06) 75.67,6.65 P1.B29 ; P1.B16 62.67,6.32 v1(62.43,6.55) 62.05,6.17 v1(61.92,6.17) ; v1(59,6.81) 59.67,6.14 P1.B13 ; P1.A18 v1(64.67,5.97)
  BOTTOM w0.127: v1(83.01,75.13) 82.68,74.8 v1(82.68,74.61)
  BOTTOM w0.203: 36.47,45.36 C102B.1
  BOTTOM w0.305: 36.47,45.36 35.18,45.36 v1(35,45.54) ; C129D.2 41.86,85.75 42.27,85.34 42.92,85.34 ; v1(41.82,66.23) 41.89,66.16 41.89,66.06 ; v1(71.7,75.77) 71.7,75.39 71.64,75.32 C134.1 ; v1(43.76,86.56) 43.76,87.03 C31D.2 ; C110B.2 39.55,47.69 39.55,47.17 39.83,46.89 v1(39.83,46.81) ; U1.3 v1(9.67,89.66) ; v1(85.57,68.53) 86.49,69.45 C90.2 ; C110A.2 39.71,26.38 v1(39.57,26.24) ; C110D.2 39.32,88.86 v1(38.29,89.89) ; 42.92,85.34 42,84.43 41.17,84.43 40.26,85.34 40.26,86.36 v1(40.46,86.56) ; 42.92,85.34 C131D.2 ; C102C.1 36.84,65.67 v1(36.65,65.48)
  BOTTOM w0.508: v1(27.89,44.91) 27.86,44.87 Q4B.3 ; C31C.2 44.12,66.77 v1(44.4,66.5) ; R46.2 71.34,69.27 70.56,69.27 70.48,69.19 v1(70.36,69.19) ; v1(33.98,79.45) 33.94,79.5 Q5D.3 34.23,80.44 R127D.1 ; J3D.3 v1(51.66,86.16) ; R123A.1 v1(40.04,15.32) ; R50A.1 v1(27.52,23.44) ; J6.4 83.64,74.63 v1(83.51,74.75) ; J4D.4 v1(52.62,89.58) ; v1(83.01,69.54) 82.68,69.21 J5.3 ; v1(45.41,46.18) 44.4,46.18 44.27,46.3 44.05,46.3 C31B.2 ; v1(21.28,44.02) 21.34,43.96 R49B.1 ; v1(8.71,87.83) 8.78,87.9 R2.1 ; J3D.2 v1(52.62,86.05) ; J4A.2 50.68,30.1 v1(50.75,30.17) ; C131A.2 v1(44.4,23.95) ; C130C.2 42.14,72.37 42.37,72.59 v1(42.62,72.59) ; J3C.4 v1(50.7,66.29) ; J4B.3 v1(51.66,50.98) 52.62,50.02 J4B.4 ; 38.94,48.34 38.97,48.34 39.45,47.86 C110B.2 ; C1.2 v1(12.28,90) ; Q4C.3 v1(28.25,65.37) ; v1(38.68,42.24) 38.58,42.14 R124B.3 ; R49A.1 v1(21.46,23.68) ; Q3C.3 v1(20.92,65.37) ; P1.A12 58.67,6.47 v1(59,6.81) ; v1(41.83,86.66) 41.83,86.61 41.86,86.59 C129D.2 ; v1(33.91,18.42) Q5A.3 33.91,19.18 34.2,19.47 R127A.1 ; R50D.1 v1(27.41,84.94) ; Q3A.3 v1(21.32,24.81) ; C111B.1 v1(43.47,40.88) ; R50B.1 v1(27.63,43.96) ; C130D.2 v1(42.09,92.89) ; v1(51.64,29.41) J4A.3 ; J3B.4 50.7,45.62 v1(49.99,44.91) ; Q4A.3 v1(28.11,24.36) ; J3D.4 v1(50.7,86.48) ; C110C.2 39.36,68.36 38.94,68.78 38.93,68.78 v1(38.3,69.41) ; C31D.2 v1(44.5,87.3) ; v1(104.85,88.59) 104.64,88.81 J11.9 ; C133D.2 v1(27.65,92.54) ; Q3B.3 v1(21.06,44.87) ; Q4D.3 v1(28.07,85.87) ; C31A.2 44.01,25.62 v1(44.27,25.35) ; v1(82.68,74.61) J6.3 82.29,74.55 81.72,73.97 J6.2 ; J4B.2 50.7,50.41 v1(50.49,50.62) ; v1(52.53,30.17) 52.6,30.1 J4A.4 ; C111A.1 v1(44.12,20.8) ; 41.89,66.06 C129C.2 ; v1(41.73,52.02) 41.73,52.01 C130B.2 ; v1(33.73,59) 33.92,59.2 Q5C.3 34.23,59.95 R127C.1 ; C94.2 91.74,69.45 C93.2 C87.2 C113.2 C89.2 C90.2 86.73,71.96 C115.2 C82.2 86.44,74.28 C83.2 90.19,75.56 C84.2 C88.2 C85.2 ; J3C.3 v1(51.66,65.38) 52.62,66.34 J3C.2 ; C102D.1 36.84,85.99 36.91,85.93 v1(36.91,85.8) ; v1(78.24,73.72) 78.4,73.88 C58.1 C57.1 C54.1 C55.1 C49.1 ; C130A.2 v1(41.6,31.83) ; C102A.1 36.81,26.41 v1(36.84,26.43) ; J4C.3 50.85,71.04 v1(50.7,70.9) ; R49D.1 v1(21.06,84.94) ; J5.4 81.72,70.54 v1(81.99,70.81) ; Q3D.3 v1(21.35,86.24) ; R127B.1 34.01,39.95 34.01,39.24 Q5B.3 33.92,39.13 v1(33.98,39.06) ; v1(40.72,36.02) 40.18,36.55 R123B.1 ; R49C.1 21.18,64.45 v1(20.9,64.72) ; v1(50.7,70.9) J4C.2 ; v1(50.7,70.9) 51.56,70.04 J4C.4 ; J3A.3 v1(51.64,24.33) ; C111D.1 v1(43.76,82.31) ; P1.A4 48.67,6.25 v1(48.72,6.3) ; R124A.3 v1(38.55,20.9) ; J4D.2 50.09,90.53 v1(49.99,90.63) ; J3A.4 v1(50.68,25.02) ; R50C.1 v1(27.13,64.46) ; C129A.2 41.79,24.52 v1(41.79,25.22) ; C131B.2 42.39,44.43 C129B.2 41.85,45.79 v1(41.86,45.8) ; R123C.1 v1(40.07,57.73) ; v1(39.57,76.78) 40.06,77.27 R123D.1 ; J5.2 v1(83.64,69.04) ; J3B.3 v1(51.89,45.35) 52.62,46.09 J3B.2 ; C131C.2 v1(45.29,64.94) ; v1(51.64,92.15) 51.66,92.13 J4D.3 ; C133C.2 v1(27.53,72.06) ; R124D.3 v1(38.58,83.24) ; J3A.2 v1(52.6,24.9) ; R124C.3 v1(38.58,62.54) ; C133A.2 v1(27.53,31.04) ; C133B.2 v1(27.25,51.55) ; v1(98.67,89.57) J11.1
  BOTTOM w0.635: v1(77.16,6.55) 77.67,6.05 P1.A31 ; P1.A24 70.67,5.9 v1(71.01,6.24) 71.32,6.55 v1(71.32,6.81) ; P1.A27 73.67,6.11 v1(73.35,6.43) 73.1,6.68 v1(73.1,6.93) ; P1.A23 69.67,5.92 v1(69.29,6.3) 69.16,6.43 v1(69.16,6.81) ; v1(67.13,6.93) 67.13,6.55 v1(67,6.43) 66.67,6.09 P1.A20 ; P1.A18 v1(64.67,5.97) ; P1.A15 61.67,5.92 v1(61.92,6.17) ; v1(75.26,7.06) 75.26,6.68 v1(75.01,6.43) 74.67,6.09 P1.A28
  vias: v1(38.26,48.95) v1(43.49,61.8) v1(45.5,71.63) v1(47.4,88.42) v1(47.41,67.93) v1(47.37,26.97) v1(56.94,38.52) v1(56.97,36.02) v1(57.2,46.02) v1(57.23,48.59) v1(57.21,43.52) v1(57.35,40.97) v1(57.61,42.62) v1(57.86,27.51) v1(57.86,25.73) v1(58.62,14.05) v1(58.88,29.03) v1(59.38,29.67) v1(60.53,14.05) v1(60.75,46.02) v1(60.77,43.52) v1(61.42,41.73) v1(64.21,27.63) v1(64.21,25.6) v1(64.34,47.57) v1(67.39,18.24) v1(68.53,60.27) v1(69.29,18.24) v1(69.42,19.13) v1(70.43,60.27) v1(70.56,40.08) v1(70.81,61.92) v1(71.2,40.72) v1(71.2,18.36) v1(71.32,19.13) v1(72.72,62.05) v1(73.1,18.36) v1(73.23,19.51) v1(74.24,38.94) v1(74.5,40.21) v1(75.13,19.63) v1(75.26,40.72) v1(76.02,61.67) v1(77.93,61.54) v1(78.43,59.77) v1(79.83,25.09) v1(80.34,59.89) v1(81.74,25.09) v1(89.48,72.48) v1(94.29,80.48) v1(108.79,56.21) v1(110.69,56.21) v1(111.96,56.21) v1(113.87,56.46) v1(125.55,53.54) v1(127.46,53.54) v1(128.85,53.54) v1(130.5,53.16) v1(130.89,55.96) v1(130.89,53.67) v1(130.89,51.26) v1(131.01,48.97) v1(131.77,55.96) v1(131.77,53.54) v1(131.77,51.26) v1(131.77,48.97) v1(132.54,55.96) v1(132.54,53.67) v1(132.54,51.26) v1(132.54,48.97) v1(136.6,24.08) v1(136.6,21.67) v1(136.73,23.57) v1(141.43,21.67) v1(141.81,30.94)
